# KiCad board HPM1500_DDR2_CORE_RevA.kicad_pcb (continued)
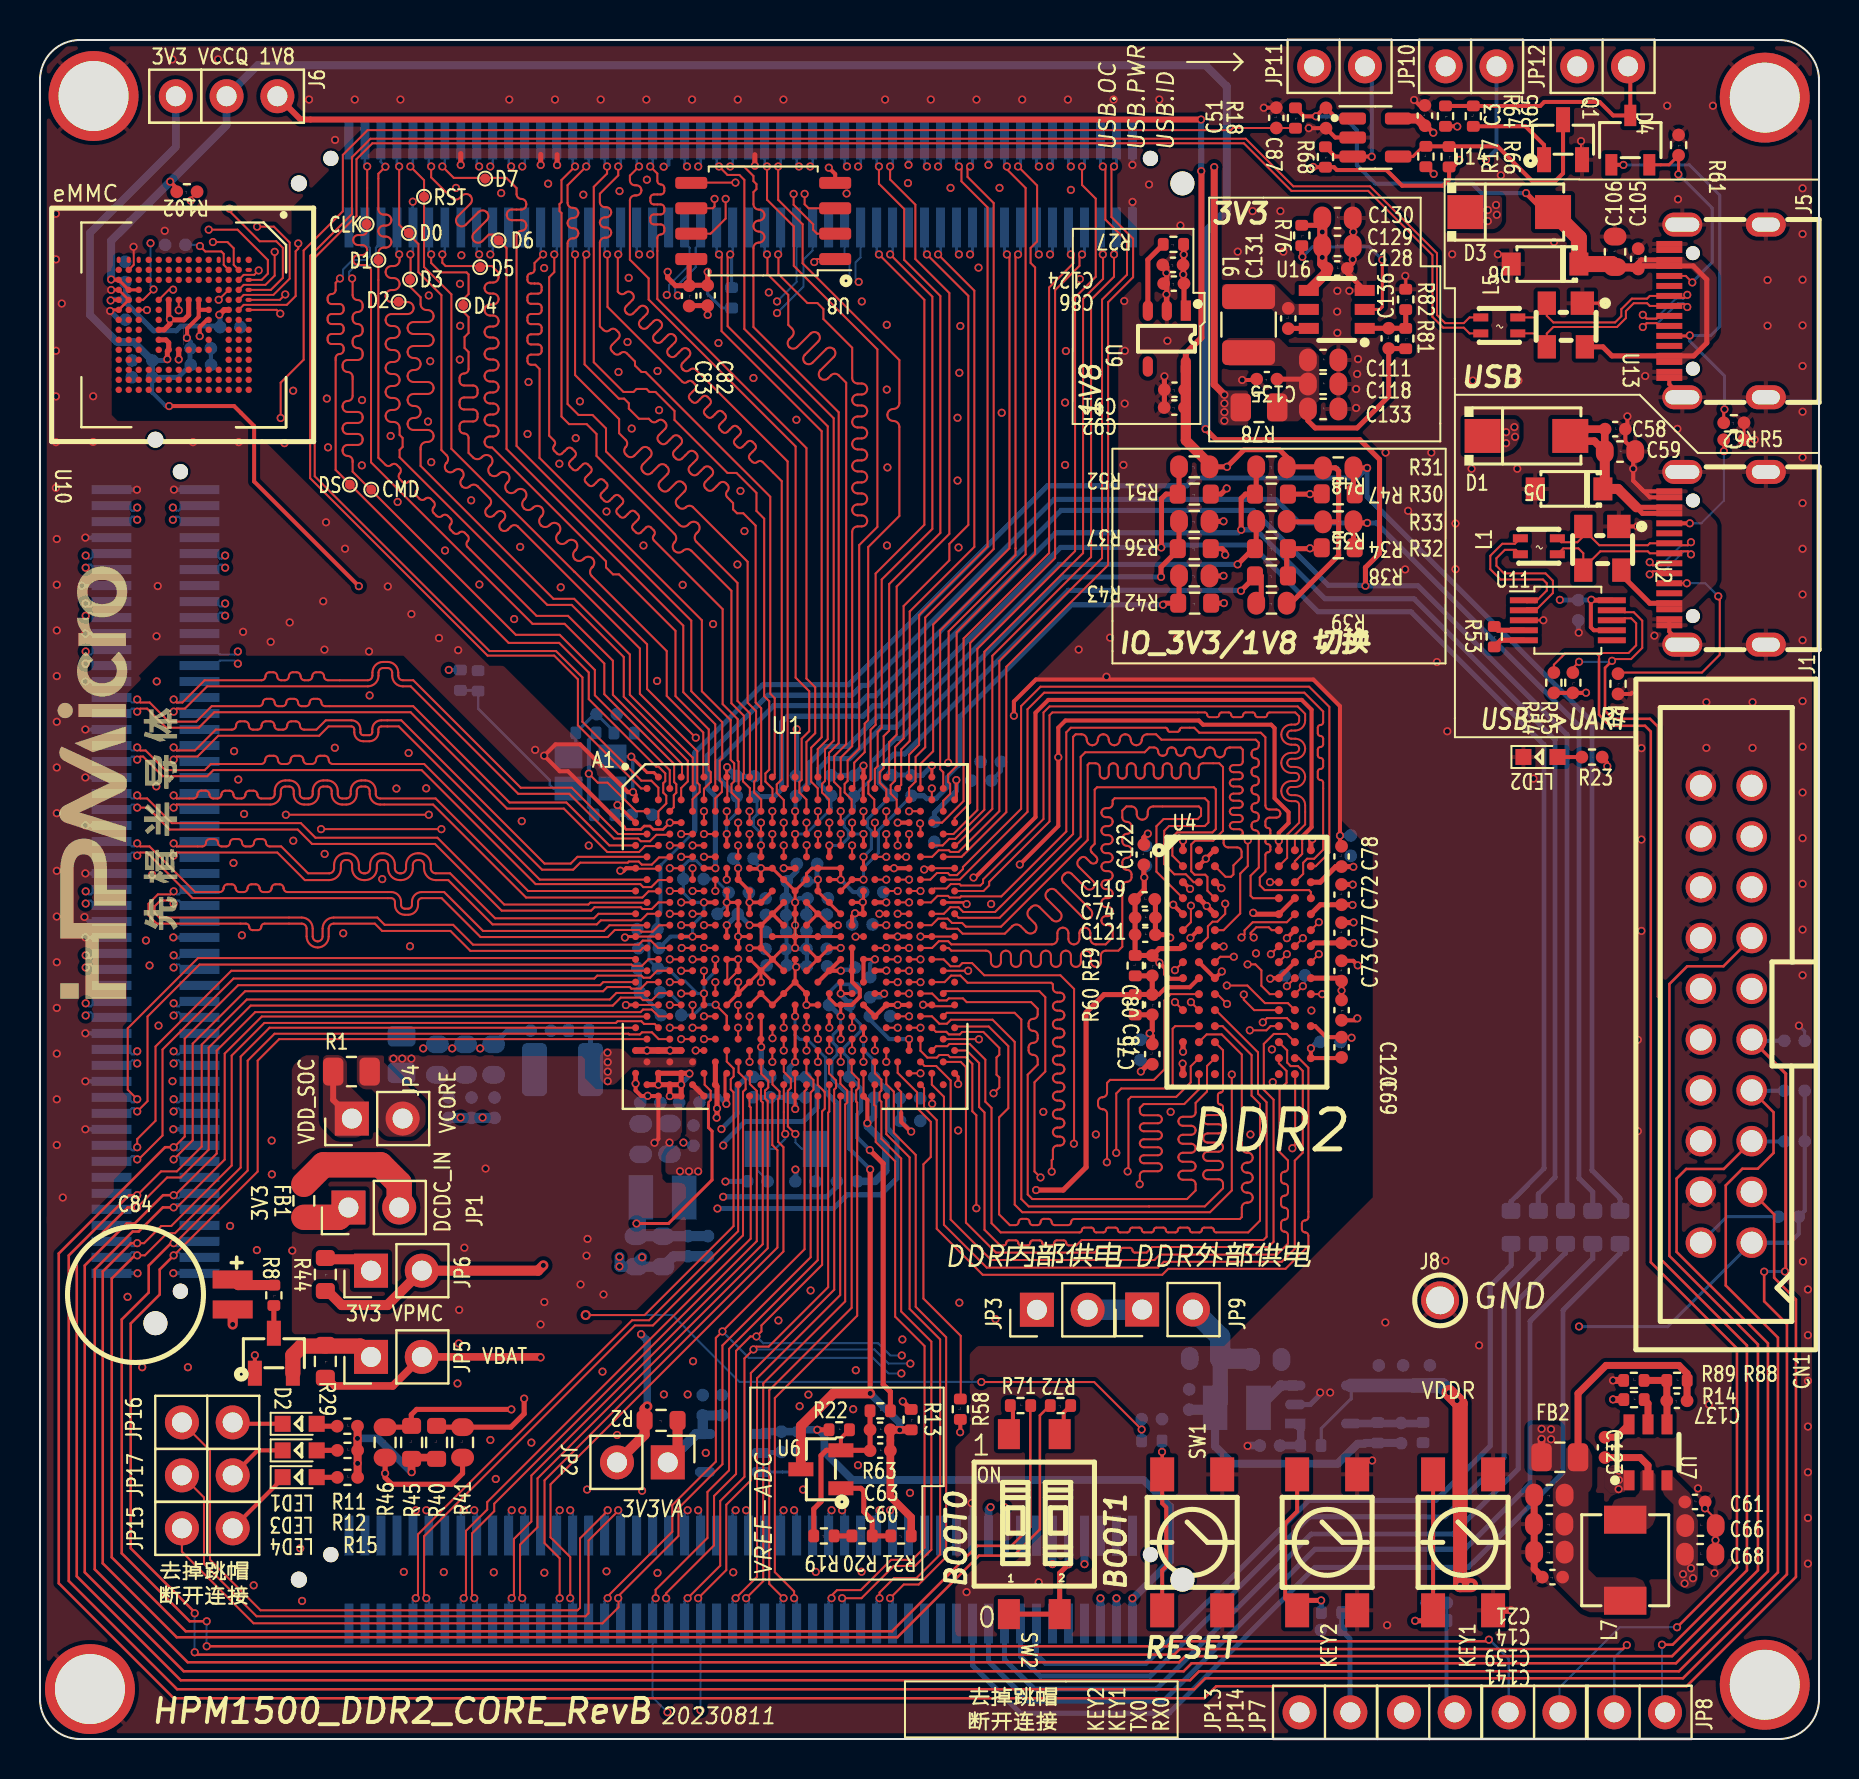
[diagram p0: board, top side]
## Copper pours and planes (outline as drawn; the poured copper is in the pictures) (continued)
Net-(C111-Pad1) on Top: 59.44,70.09 61.99,70.09 62.44,69.64 63.54,69.64 63.94,69.24 63.99,69.24 63.99,66.97 62.94,65.92 61.38,65.92 61.24,66.06 61.24,67.18 61.38,67.32 62.07,67.32 62.34,67.59 62.34,68.44 62.09,68.69 59.49,68.69 59.34,68.84 59.34,69.99
Net-(C137-Pad1) on Top: 76.34,13.37 75.68,12.71 75.68,8 77.34,6.34 80.36,6.34 80.36,7.74 80.01,8.09 77.87,8.09 77.46,8.5 77.46,12.34 77.65,12.53 77.65,14.37 77.33,14.69 76.68,14.69 76.6,14.61 76.38,14.61 76.34,14.57
Net-(U7-SW) on Top: 80.82,13.44 80.82,10.86 80.36,10.4 79.04,10.4 78.6,10.84 78.6,11.78 78.92,12.1 79.8,12.1 80.05,12.45 80.05,13.43 80.06,13.44
Net-(U16-LX) on Top: 59.14,72.78 61.8,72.78 62.78,71.79 63.97,71.79 63.97,71.24 62.34,71.24 62.34,71.24 61.89,71.24 61.54,71.59 59.74,71.59 59.14,72.19

## Text on the board
B.Silkscreen: 3V3 | VDD_SOC | VCORE | VBAT | VPMC | DCDC_IN
F.Silkscreen: DS | CLK | D1 | D2 | CMD | D0 | D3 | RST | D4 | D5 | D7 | D6 | KEY2 | KEY1 | TX0 | RX0 | 3V3 | VCCQ | 1V8 | VPMC | VBAT | A1 | VDD_SOC | DCDC_IN | VCORE | VDDR | 3V3VA | 20230811 | 去掉跳帽 / 断开连接 | eMMC | VREF-ADC | USB.OC | USB.PWR | USB.ID | USB->UART | 1 | 0 | DDR内部供电 | DDR外部供电 | IO_3V3/1V8 切换 | USB | RESET | BOOT0 | BOOT1 | GND | HPM1500_DDR2_CORE_RevB | DDR2
